# Altium PCB 继电器板.PcbDoc (part 1 of 2)
Units mm, origin at the board's own origin, x right, y up, seen from the top; angles counter-clockwise.
Board outline 160.63 x 75.01 mm, 2 copper layers (Top Layer, Bottom Layer); 170 components, 175 nets, 615 pads, 138 vias.
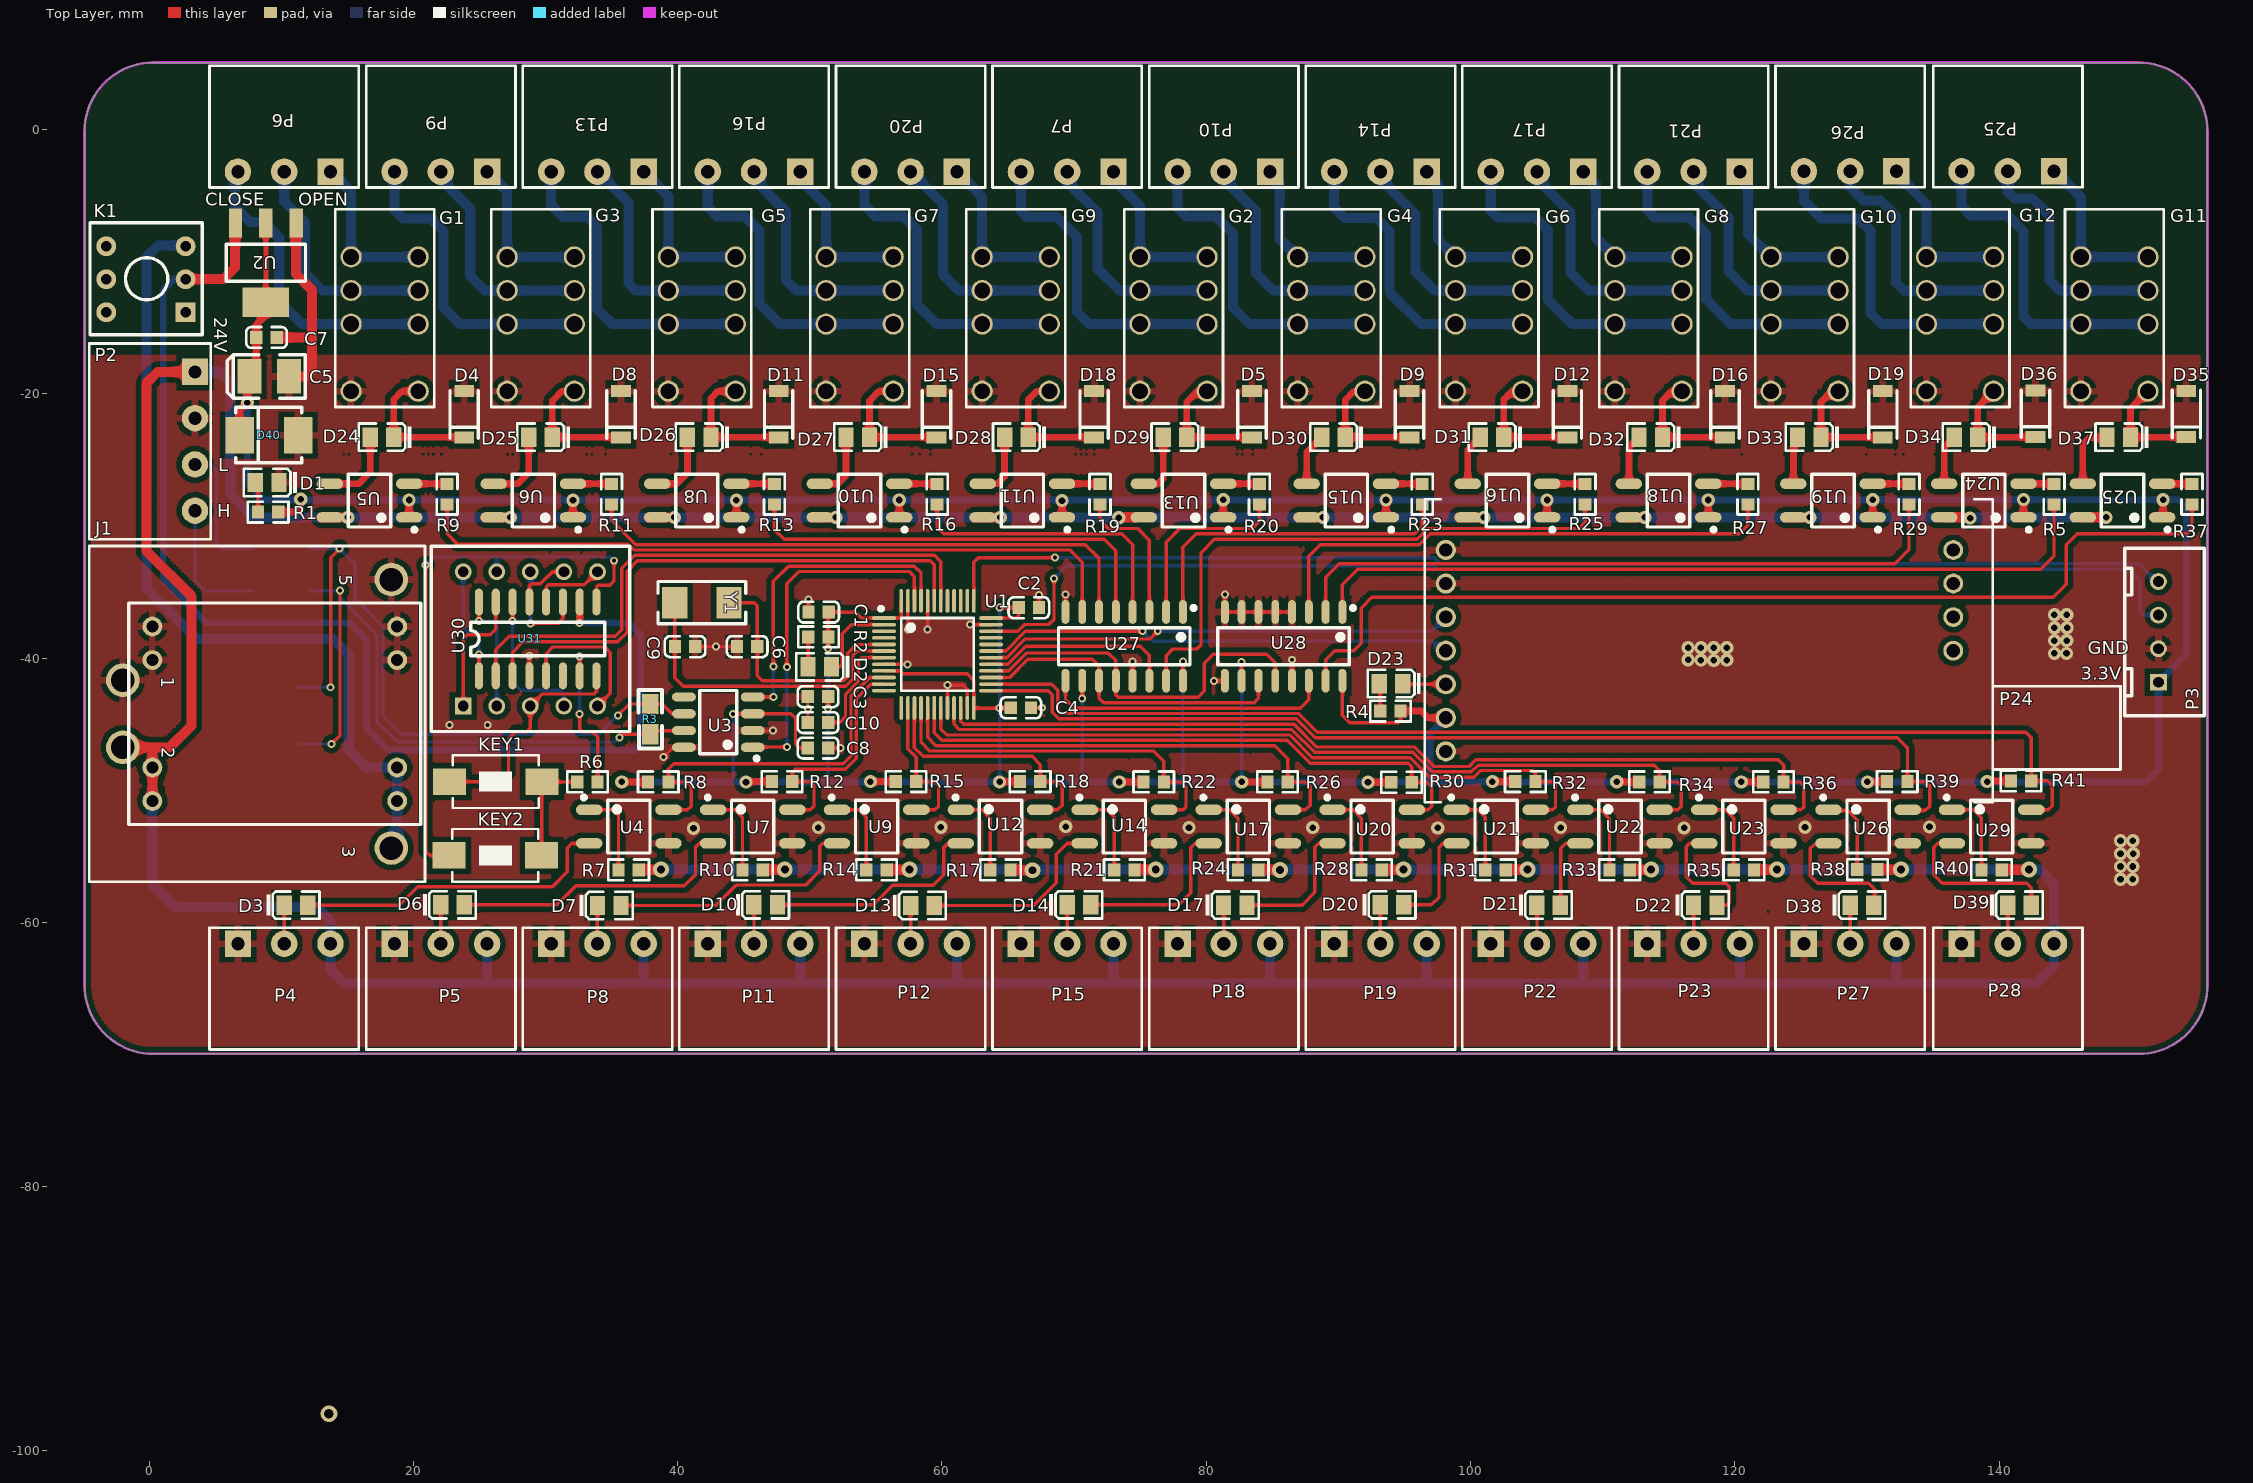
[diagram p0: Top Layer view]
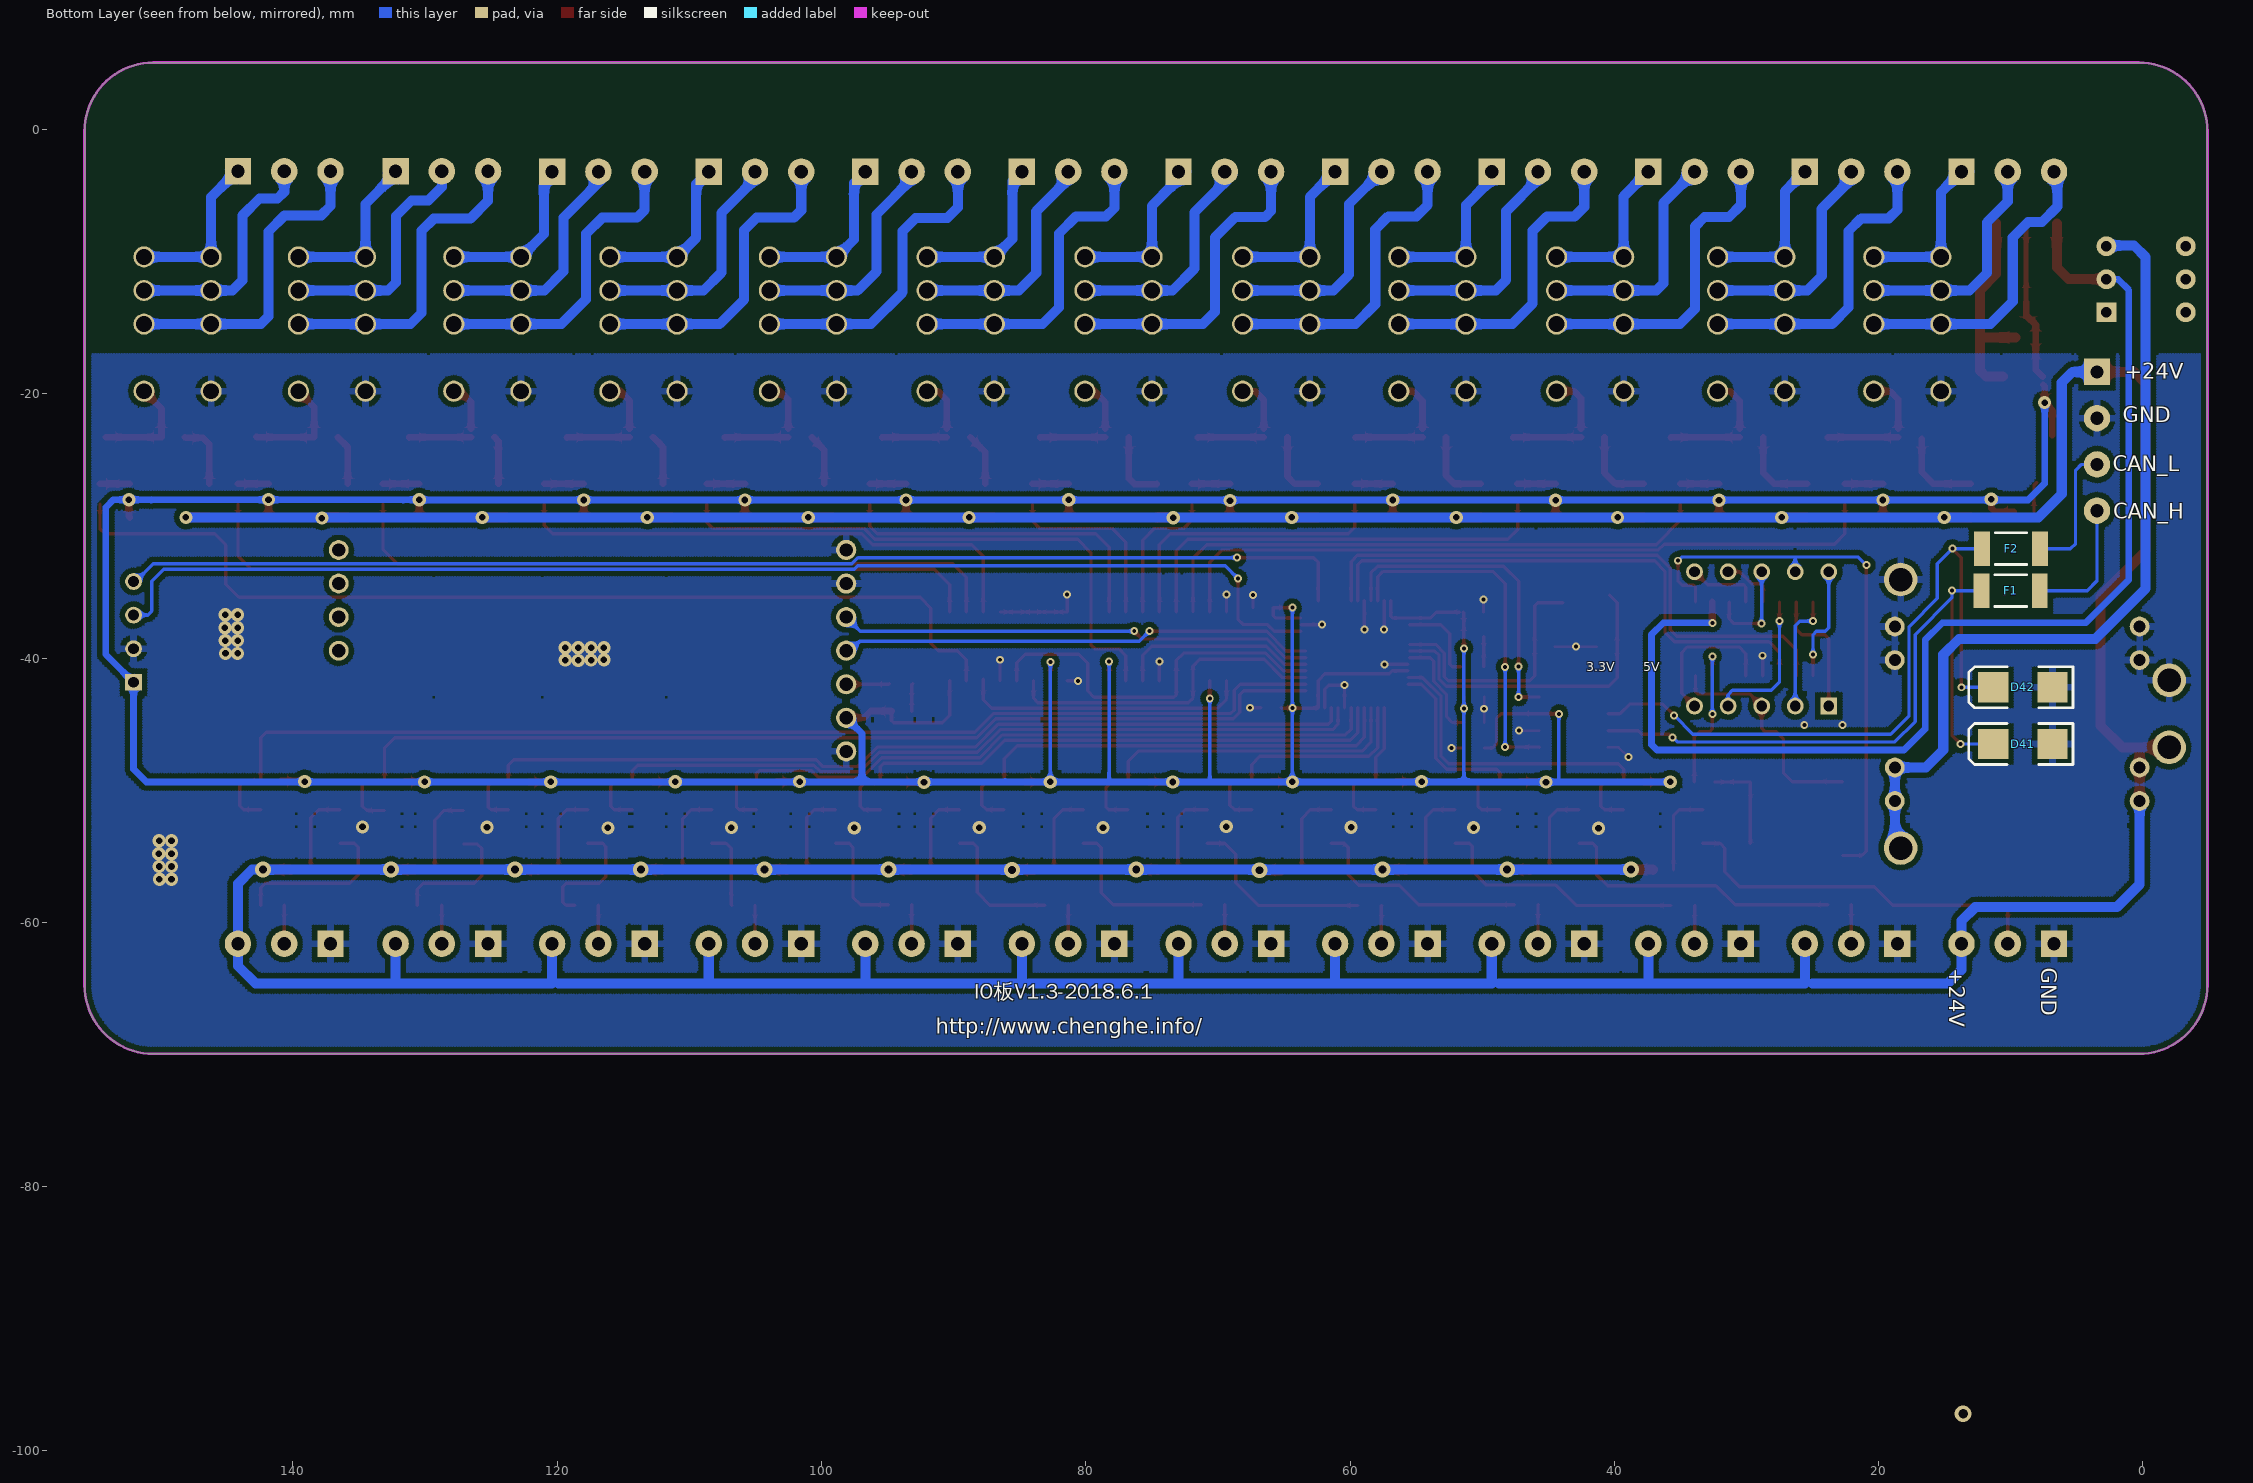
[diagram p1: Bottom Layer view, seen from below]

## Layer stack, top to bottom
Top Layer: signal copper 0.0356
Dielectric: dielectric 0.32, FR-4, Dk 4.8
Bottom Layer: signal copper 0.0356

## Board outline
-4.877,-64.745 ccw(c0.33,-64.745) 0.33,-69.952 0.33,-69.945 150.546,-69.945 150.546,-69.952 ccw(c150.546,-64.745) 155.753,-64.745 155.753,-0.152 ccw(c150.546,-0.152) 150.546,5.055 0.33,5.055 ccw(c0.33,-0.152) -4.877,-0.152

## Design rules (kind name [scope] priority, off if disabled: settings)
Clearance ispad [InPolygon] p1: gap=0.4
Clearance [All] p2: gap=0.152
HoleSize [All] p1: absolutevalues=TRUE maxlimit=5 minlimit=0.025 maxpercent=80.000 minpercent=20.000
HoleToHoleClearance [All] p1: gap=0 allowstackedmicrovias=TRUE
MinimumSolderMaskSliver [All] p1: minsoldermaskwidth=0
PolygonConnect PolygonConnect_1 [IsVia] p1: connectstyle=Direct reliefconductorwidth=0.254 reliefentries=4 polygonreliefangle="90 Angle"
PolygonConnect [IsPad] p2: connectstyle=Relief reliefconductorwidth=0.508 reliefentries=4 polygonreliefangle="90 Angle"
RoutingVias [All] p1: holewidth=0.711 width=1.27 viastyle="Through Hole" minholewidth=0.25 minwidth=0.5 maxholewidth=0.711 maxwidth=1.27
SilkToSilkClearance [All] p1: silktosilkclearance=-10
SilkscreenOverComponentPads SilkToSolderMaskClearance [IsPad] p1: minsilkscreentomaskgap=-10
SolderMaskExpansion [All] p1: expansion=0.102
Width [All] p1: maxlimit=2.54 minlimit=0.152 preferedwidth=0.254
23 further rules are at their usual default settings.

## Components (designator, comment, footprint, x,y, rotation, side; value= is the part's Value field where it differs from the comment)
C1 "104" 0603_C 50.673,-36.525 r180 top
C2 "104" 0603_C 66.573,-36.195 r0 top
C3 "104" 0603_C 50.622,-42.926 r180 top
C4 "104" 0603_C 65.964,-43.764 r0 top
C5 "100uF (107) ±10% 6.3V" CASE-B_3528 9.093,-18.694 r180 top
C6 "22pF" 0603_C 45.263,-39.141 r180 top
C7 "104" 0603_C 8.89,-15.748 r180 top
C8 "104" 0603_C 50.622,-46.812 r0 top
C9 "22pF" 0603_C 40.564,-39.141 r0 top
C10 "104" 0603_C 50.622,-44.882 r0 top
D1 "蓝灯 0805" LC-0805_LED_S1 8.052,-26.721 r180 top
D2 "红灯 0805" LC-0805_LED_S1 49.86,-40.665 r180 top
D3 "红灯 0805" LC-0805_LED_S1 12.014,-58.699 r0 top
D4 "LL4148 LL-34 1206" LC-LL-34 23.851,-23.312 r90 top
D5 "LL4148 LL-34 1206" LC-LL-34 83.45,-23.312 r90 top
D6 "红灯 0805" LC-0805_LED_S1 23.851,-58.674 r0 top
D7 "红灯 0805" LC-0805_LED_S1 35.712,-58.725 r0 top
D8 "LL4148 LL-34 1206" LC-LL-34 35.71,-23.312 r90 top
D9 "LL4148 LL-34 1206" LC-LL-34 95.385,-23.312 r90 top
D10 "红灯 0805" LC-0805_LED_S1 47.549,-58.674 r0 top
D11 "LL4148 LL-34 1206" LC-LL-34 47.645,-23.312 r90 top
D12 "LL4148 LL-34 1206" LC-LL-34 107.321,-23.312 r90 top
D13 "红灯 0805" LC-0805_LED_S1 59.411,-58.725 r0 top
D14 "红灯 0805" LC-0805_LED_S1 71.247,-58.674 r0 top
D15 "LL4148 LL-34 1206" LC-LL-34 59.58,-23.312 r90 top
D16 "LL4148 LL-34 1206" LC-LL-34 119.256,-23.312 r90 top
D17 "红灯 0805" LC-0805_LED_S1 83.083,-58.699 r0 top
D18 "LL4148 LL-34 1206" LC-LL-34 71.515,-23.312 r90 top
D19 "LL4148 LL-34 1206" LC-LL-34 131.191,-23.312 r90 top
D20 "红灯 0805" LC-0805_LED_S1 94.945,-58.674 r0 top
D21 "红灯 0805" LC-0805_LED_S1 106.782,-58.699 r0 top
D22 "红灯 0805" LC-0805_LED_S1 118.643,-58.699 r0 top
D23 "红灯 0805" LC-0805_LED_S1 93.091,-41.935 r180 top
D24 "红灯 0805" LC-0805_LED_S1 16.739,-23.292 r180 top
D25 "红灯 0805" LC-0805_LED_S1 28.739,-23.292 r180 top
D26 "红灯 0805" LC-0805_LED_S1 40.739,-23.292 r180 top
D27 "红灯 0805" LC-0805_LED_S1 52.739,-23.292 r180 top
D28 "红灯 0805" LC-0805_LED_S1 64.739,-23.292 r180 top
D29 "红灯 0805" LC-0805_LED_S1 76.739,-23.292 r180 top
D30 "红灯 0805" LC-0805_LED_S1 88.739,-23.292 r180 top
D31 "红灯 0805" LC-0805_LED_S1 100.739,-23.292 r180 top
D32 "红灯 0805" LC-0805_LED_S1 112.739,-23.292 r180 top
D33 "红灯 0805" LC-0805_LED_S1 124.739,-23.292 r180 top
D34 "红灯 0805" LC-0805_LED_S1 136.601,-23.292 r180 top
D35 "LL4148 LL-34 1206" LC-LL-34 154.153,-23.292 r90 top
D36 "LL4148 LL-34 1206" LC-LL-34 142.748,-23.266 r90 top
D37 "红灯 0805" LC-0805_LED_S1 148.158,-23.292 r180 top
D38 "红灯 0805" LC-0805_LED_S1 130.505,-58.699 r0 top
D39 "红灯 0805" LC-0805_LED_S1 142.418,-58.699 r0 top
D40 "SMBJ3.3A" SMB(DO-214AA)_S1 9.068,-23.139 r0 top
D41 "D Schottky" SMB 9.093,-46.507 r0 bottom
D42 "D Schottky" SMB 9.093,-42.215 r0 bottom
F1 "Fuse" 12Z-2010 10.008,-34.9 r0 bottom
F2 "Fuse" 12Z-2010 9.982,-31.725 r0 bottom
G1 "G6S-2-24V" G6S-2-24V 15.291,-19.812 r90 top
G2 "G6S-2-24V" G6S-2-24V 74.981,-19.812 r90 top
G3 "G6S-2-24V" G6S-2-24V 27.102,-19.812 r90 top
G4 "G6S-2-24V" G6S-2-24V 86.919,-19.812 r90 top
G5 "G6S-2-24V" G6S-2-24V 39.294,-19.812 r90 top
G6 "G6S-2-24V" G6S-2-24V 98.857,-19.812 r90 top
G7 "G6S-2-24V" G6S-2-24V 51.232,-19.812 r90 top
G8 "G6S-2-24V" G6S-2-24V 110.922,-19.812 r90 top
G9 "G6S-2-24V" G6S-2-24V 63.043,-19.812 r90 top
G10 "G6S-2-24V" G6S-2-24V 122.733,-19.812 r90 top
G11 "G6S-2-24V" G6S-2-24V 146.177,-19.812 r90 top
G12 "G6S-2-24V" G6S-2-24V 134.493,-19.812 r90 top
J1 "WD5-24S5A1" WD5-24S3V3 -1.981,-41.681 r0 top
K1 "BUTTON" BTN8.5*8.5 2.769,-13.843 r180 top
KEY1 "KEY_M" SW_PB2_A1 26.289,-49.352 r90 top
KEY2 "KEY_M" SW_PB2_A1 26.264,-54.94 r90 top
P2 "CAN" DZ-4-3.5 3.48,-18.354 r270 top
P3 "Header 4" IDE4 152.044,-41.834 r90 top
P4 "" DZ-3-3.5 6.731,-61.62 r0 top
P5 "" DZ-3-3.5 18.58,-61.62 r0 top
P6 "" DZ-3-3.5 13.731,-3.2 r180 top
P7 "" DZ-3-3.5 72.977,-3.2 r180 top
P8 "" DZ-3-3.5 30.429,-61.62 r0 top
P9 "" DZ-3-3.5 25.58,-3.2 r180 top
P10 "" DZ-3-3.5 84.826,-3.2 r180 top
P11 "" DZ-3-3.5 42.278,-61.62 r0 top
P12 "" DZ-3-3.5 54.127,-61.62 r0 top
P13 "" DZ-3-3.5 37.429,-3.2 r180 top
P14 "" DZ-3-3.5 96.675,-3.2 r180 top
P15 "" DZ-3-3.5 65.977,-61.62 r0 top
P16 "" DZ-3-3.5 49.278,-3.2 r180 top
P17 "" DZ-3-3.5 108.524,-3.2 r180 top
P18 "" DZ-3-3.5 77.826,-61.62 r0 top
P19 "" DZ-3-3.5 89.675,-61.62 r0 top
P20 "" DZ-3-3.5 61.127,-3.2 r180 top
P21 "" DZ-3-3.5 120.373,-3.2 r180 top
P22 "" DZ-3-3.5 101.524,-61.62 r0 top
P23 "" DZ-3-3.5 113.373,-61.62 r0 top
P24 "Header 7" AS50-T27 98.12,-47.066 r0 top locked
P25 "" DZ-3-3.5 144.145,-3.175 r180 top
P26 "" DZ-3-3.5 132.222,-3.175 r180 top
P27 "" DZ-3-3.5 125.222,-61.62 r0 top
P28 "" DZ-3-3.5 137.145,-61.62 r0 top
R1 "1k" 0603_R 9.017,-28.956 r180 top
R2 "102" 0603_R 50.648,-38.405 r0 top
R3 "120R" 0805 37.922,-43.485 r270 top
R4 "1k" 0603_R 93.929,-44.018 r180 top
R5 "330R" 0603_R 144.145,-27.61 r90 top
R6 "2K" 0603_R 33.172,-49.378 r0 top
R7 "4.7K" 0603_R 36.297,-56.032 r0 top
R8 "1K" 0603_R 38.532,-49.378 r180 top
R9 "330R" 0603_R 22.555,-27.61 r90 top
R10 "4.7K" 0603_R 45.672,-56.032 r0 top
R11 "330R" 0603_R 35.001,-27.61 r90 top
R12 "1K" 0603_R 47.904,-49.352 r180 top
R13 "330R" 0603_R 47.32,-27.61 r90 top
R14 "4.7K" 0603_R 55.046,-56.032 r0 top
R15 "1K" 0603_R 57.277,-49.352 r180 top
R16 "330R" 0603_R 59.639,-27.61 r90 top
R17 "4.7K" 0603_R 64.421,-56.032 r0 top
R18 "1K" 0603_R 66.675,-49.352 r180 top
R19 "330R" 0603_R 71.958,-27.61 r90 top
R20 "330R" 0603_R 84.023,-27.61 r90 top
R21 "4.7K" 0603_R 73.796,-56.032 r0 top
R22 "1K" 0603_R 76.022,-49.378 r180 top
R23 "330R" 0603_R 96.342,-27.61 r90 top
R24 "4.7K" 0603_R 83.171,-56.032 r0 top
R25 "330R" 0603_R 108.661,-27.61 r90 top
R26 "1K" 0603_R 85.395,-49.378 r180 top
R27 "330R" 0603_R 120.98,-27.61 r90 top
R28 "4.7K" 0603_R 92.507,-56.032 r0 top
R29 "330R" 0603_R 133.172,-27.61 r90 top
R30 "1K" 0603_R 94.767,-49.403 r180 top
R31 "4.7K" 0603_R 101.879,-56.032 r0 top
R32 "1K" 0603_R 104.14,-49.352 r180 top
R33 "4.7K" 0603_R 111.277,-56.032 r0 top
R34 "1K" 0603_R 113.538,-49.378 r180 top
R35 "4.7K" 0603_R 120.671,-56.032 r0 top
R36 "1K" 0603_R 122.911,-49.378 r180 top
R37 "330R" 0603_R 154.584,-27.61 r90 top
R38 "4.7K" 0603_R 130.023,-56.007 r0 top
R39 "1K" 0603_R 132.283,-49.352 r180 top
R40 "4.7K" 0603_R 139.421,-56.032 r0 top
R41 "1K" 0603_R 141.656,-49.301 r180 top
U1 "STM32f103C8T6" LC-LQFP-48 59.665,-39.726 r270 top
U2 "AMS1117-3.3" SOT-223 8.839,-10.084 r90 top
U3 "SN65HVD230" LC-SOIC-8_150mil 43.078,-44.856 r90 top
U4 "EL357N(B)(TA)-G" LC-SOP-4_P2.54 33.304,-51.486 r0 top
U5 "EL357N(B)(TA)-G" LC-SOP-4_P2.54 19.68,-29.362 r180 top
U6 "EL357N(B)(TA)-G" LC-SOP-4_P2.54 32.08,-29.362 r180 top
U7 "EL357N(B)(TA)-G" LC-SOP-4_P2.54 42.679,-51.486 r0 top
U8 "EL357N(B)(TA)-G" LC-SOP-4_P2.54 44.445,-29.362 r180 top
U9 "EL357N(B)(TA)-G" LC-SOP-4_P2.54 52.054,-51.486 r0 top
U10 "EL357N(B)(TA)-G" LC-SOP-4_P2.54 56.764,-29.362 r180 top
U11 "EL357N(B)(TA)-G" LC-SOP-4_P2.54 69.083,-29.362 r180 top
U12 "EL357N(B)(TA)-G" LC-SOP-4_P2.54 61.429,-51.486 r0 top
U13 "EL357N(B)(TA)-G" LC-SOP-4_P2.54 81.275,-29.362 r180 top
U14 "EL357N(B)(TA)-G" LC-SOP-4_P2.54 70.804,-51.486 r0 top
U15 "EL357N(B)(TA)-G" LC-SOP-4_P2.54 93.594,-29.362 r180 top
U16 "EL357N(B)(TA)-G" LC-SOP-4_P2.54 105.786,-29.362 r180 top
U17 "EL357N(B)(TA)-G" LC-SOP-4_P2.54 80.179,-51.486 r0 top
U18 "EL357N(B)(TA)-G" LC-SOP-4_P2.54 117.978,-29.362 r180 top
U19 "EL357N(B)(TA)-G" LC-SOP-4_P2.54 130.424,-29.362 r180 top
U20 "EL357N(B)(TA)-G" LC-SOP-4_P2.54 89.554,-51.486 r0 top
U21 "EL357N(B)(TA)-G" LC-SOP-4_P2.54 98.928,-51.486 r0 top
U22 "EL357N(B)(TA)-G" LC-SOP-4_P2.54 108.303,-51.486 r0 top
U23 "EL357N(B)(TA)-G" LC-SOP-4_P2.54 117.678,-51.486 r0 top
U24 "EL357N(B)(TA)-G" LC-SOP-4_P2.54 141.834,-29.362 r180 top
U25 "EL357N(B)(TA)-G" LC-SOP-4_P2.54 152.324,-29.362 r180 top
U26 "EL357N(B)(TA)-G" LC-SOP-4_P2.54 127.076,-51.486 r0 top
U27 "74HC595D" SOIC-16_150mil 73.787,-39.116 r180 top
U28 "74HC595D" SOIC-16_150mil 85.852,-39.116 r180 top
U29 "EL357N(B)(TA)-G" LC-SOP-4_P2.54 136.423,-51.486 r0 top
U30 "TM1650" SO-16 24.968,-41.351 r90 top
U31 "LED_S" LED_S 23.774,-43.637 r0 top locked
Y1 "8MHz ±20ppm 20pF" SMD-5032_2P 41.834,-35.814 r180 top

## Footprints (in the part's own frame and the unit in brackets; to place one, negate y for a bottom-side part, rotate by r counter-clockwise, add the part's x,y. Pads: shape width x height; smd on the part's side, far side on the other; paste and mask are expansions set on the pad)
12Z-2010 [mm] "Chip Resistor, Body 5.0x2.5mm, IPC High Dens"
  rect 1.2x2.6 smd: 1(-2.2,0) 2(2.2,0)
  silkscreen extent -1.2,-1.2 1.2,1.2, body extent -2.58,-1.33 2.58,1.33, height 0.9
0603_C [mm]
  rect 0.93x0.98 smd: 1(-0.77,0) 2(0.77,0)
  silkscreen extent -1.53,-0.79 1.54,0.79, body extent -0.8,-0.4 0.8,0.4, height 0.3
0603_R [mm]
  rect 0.93x0.98 smd: 1(-0.77,0) 2(0.77,0)
  silkscreen extent -1.53,-0.79 1.54,0.79, body extent -0.85,-0.4 0.85,0.4, height 0.56
0805 [mil]
  rect 60x50 smd: 1(0,0) 2(90,0)
  silkscreen extent -42,-35 132,35
AS50-T27 [mm]
  round 1.5 hole 1: 0(38.4,7.62) 0(38.4,10.16) 0(38.4,12.7) 0(38.4,15.24)
  round 1.524 hole 1: 1(0,0) 2(0,2.54) 3(0,5.08) 4(0,7.62) 5(0,10.16) 6(0,12.7) 7(0,15.24)
  silkscreen extent -1.6,-3.85 51.05,19.09
BTN8.5*8.5 [mm]
  rect 1.5x1.5 hole 0.8: 1(0,0)
  round 1.5 hole 0.8: 2(0,-2.5) 3(0,-5) 4(6,-5) 5(6,-2.5) 6(6,0)
  silkscreen extent -1.27,-6.79 7.23,1.71
CASE-B_3528 [mm]
  rect 1.8x2.6 smd: 1(1.5,0) 2(-1.5,0)
  silkscreen extent -2.73,-1.65 3.16,1.65, body extent -1.85,-1.47 1.85,1.46, height 2.03
DZ-3-3.5 [mm]
  rect 2x2 hole 1: 1(0,0)
  round 2 hole 1: 2(3.5,0) 3(7,0)
  silkscreen extent -2.15,-8 9.15,1.2
DZ-4-3.5 [mm]
  rect 2x2 hole 1: 1(0,0)
  round 2 hole 1: 2(3.5,0) 3(7,0) 4(10.5,0)
  silkscreen extent -2.15,-8 12.65,1.2
G6S-2-24V [mm]
  round 1.6 hole 1.2: 1(0,0) 3(5.08,0) 4(7.62,0) 5(10.16,0) 8(10.16,-5.08) 9(7.62,-5.08) 10(5.08,-5.08) 12(0,-5.08)
  silkscreen extent -1.2,-6.28 13.76,1.2
IDE4 [mil]
  rect 50x50 hole 32: 1(0,0)
  round 50 hole 32: 2(100,0) 3(200,0) 4(300,0)
  silkscreen extent -100,-136 399,100
LC-0805_LED_S1 [mm]
  rect 1.16x1.47 smd: A(0.001,0) K(-1.779,0)
  silkscreen extent -3.13,-1.04 0.88,1.03, body extent -1.9,-0.62 0.12,0.62, height 1.1
LC-LL-34 [mm]
  rect 0.9x1.5 smd: 1(3.5,0) 2(0,0)
  silkscreen extent -0.05,-1.08 3.55,1.07
LC-LQFP-48 [mm]
  oval 0.28x1.8 smd mask+0.051: 1(-2.75,-4.05) 2(-2.25,-4.05) 3(-1.75,-4.05) 4(-1.25,-4.05) 5(-0.75,-4.05) 6(-0.25,-4.05) 7(0.25,-4.05) 8(0.75,-4.05) 9(1.25,-4.05) 10(1.75,-4.05) 11(2.25,-4.05) 12(2.75,-4.05) 25(2.75,4.05) 26(2.25,4.05) 27(1.75,4.05) 28(1.25,4.05) 29(0.75,4.05) 30(0.25,4.05) 31(-0.25,4.05) 32(-0.75,4.05) 33(-1.25,4.05) 34(-1.75,4.05) 35(-2.25,4.05) 36(-2.75,4.05)
  oval 1.8x0.28 smd mask+0.051: 13(4.05,-2.75) 14(4.05,-2.25) 15(4.05,-1.75) 16(4.05,-1.25) 17(4.05,-0.75) 18(4.05,-0.25) 19(4.05,0.25) 20(4.05,0.75) 21(4.05,1.25) 22(4.05,1.75) 23(4.05,2.25) 24(4.05,2.75) 37(-4.05,2.75) 38(-4.05,2.25) 39(-4.05,1.75) 40(-4.05,1.25) 41(-4.05,0.75) 42(-4.05,0.25) 43(-4.05,-0.25) 44(-4.05,-0.75) 45(-4.05,-1.25) 46(-4.05,-1.75) 47(-4.05,-2.25) 48(-4.05,-2.75)
  silkscreen extent -3.6,-4.42 2.75,2.75
LC-SOIC-8_150mil [mm]
  oval 0.7x1.8 smd: 1(-1.905,-2.6) 2(-0.635,-2.6) 3(0.635,-2.6) 4(1.905,-2.6) 5(1.905,2.6) 6(0.635,2.6) 7(-0.635,2.6) 8(-1.905,2.6)
  silkscreen extent -2.9,-3.05 2.4,1.4
LC-SOP-4_P2.54 [mm]
  oval 2x0.8 smd: 1(0,0) 2(0,-2.54) 3(6,-2.54) 4(6,0)
  silkscreen extent -0.55,-3.27 4.6,1.08
LED_S [mil]
  rect 50x50 hole 32: 1(0,0)
  round 50 hole 32: 2(100,0) 3(200,0) 4(300,0) 5(400,0) 6(400,400) 7(300,400) 8(200,400) 9(100,400) 10(0,400)
  silkscreen extent -96,-76 496,476
SMB [mm] "DO-214-AA/SMB; 2 C-Bend Leads; Body 5.3 x 3.6 mm, inc. leads (L"
  rect 2.3x2.3 smd: 1(-2.25,0) 2(2.25,0)
  silkscreen extent -3.8,-1.55 4.1,1.55
SMB(DO-214AA)_S1 [mm]
  rect 2.159x2.743 smd: 1(2.21,0) 2(-2.21,0)
  silkscreen extent -2.5,-2.1 2.5,2.1
SMD-5032_2P [mm]
  rect 1.9x2.4 smd: 1(-2.05,0) 2(2.05,0)
  silkscreen extent -3.32,-1.6 3.32,1.6
SO-16 [mil]
  oval 80x24 smd: 1(0,0) 2(0,-50) 3(0,-100) 4(0,-150) 5(0,-200) 6(0,-250) 7(0,-300) 8(0,-350) 9(220,-350) 10(220,-300) 11(220,-250) 12(220,-200) 13(220,-150) 14(220,-100) 15(220,-50) 16(220,0)
  silkscreen extent 60,-375 160,25
SOIC-16_150mil [mm]
  oval 0.6x1.8 smd: 1(-4.445,-2.6) 2(-3.175,-2.6) 3(-1.905,-2.6) 4(-0.635,-2.6) 5(0.635,-2.6) 6(1.905,-2.6) 7(3.175,-2.6) 8(4.445,-2.6) 9(4.445,2.6) 10(3.175,2.6) 11(1.905,2.6) 12(0.635,2.6) 13(-0.635,2.6) 14(-1.905,2.6) 15(-3.175,2.6) 16(-4.445,2.6)
  silkscreen extent -5.4,-3.05 4.97,1.4
SOT-223 [mm]
  rect 2.2x1 smd: 1(3,-2.3) 2(3,0) 3(3,2.3)
  rect 2.2x3.5 smd: 2(-3,0)
  silkscreen extent -1.4,-3 1.4,3, body extent -3.49,-3.24 3.49,3.24, height 1.64
SW_PB2_A1 [mm]
  rect 2x2.5 smd: 1(0,3.556) 2(0,-3.444)
  silkscreen extent -2,-3.19 2,3.31, body extent -2.03,-3.17 2.03,3.3, height 1.2
WD5-24S3V3 [mm]
  round 2.54 hole 1.778: 1(0,0) 2(0,-5.08) 3(20.32,-12.7) 5(20.32,7.62)
  round 1.5 hole 0.9: 1(2.235,1.524) 1(2.235,4.064) 2(2.235,-9.144) 2(2.235,-6.604) 3(20.759,-9.144) 3(20.759,-6.604) 5(20.759,1.524) 5(20.759,4.064)
  silkscreen extent -2.54,-15.24 22.86,10.16

## Part data
C1 C2 C3 C4 C6 C9: library part Cap, "Capaci"
C5: library part "3528 100uF (107) 10% 6.3V"
D1 D2 D3 D6 D7 D10 D13 D14 D17 D20 D21 D22 D23 D24 D25 D26 D27 D28 D29 D30 D31 D32 D33 D34 D37 D38 D39: library part LED0, "Typical INFRARED G"
D4 D5 D8 D9 D11 D12 D15 D16 D18 D19 D35 D36: library part DIODE, "Di"
D40: library part "D Zener", "Zener Di"
D41 D42: "Schottky Diode"
F1 F2: library part "Fuse 2"
G1 G2 G3 G4 G5 G6 G7 G8 G9 G10 G11 G12: "G5SB-1"
J1: library part WD5-24S3V
K1: library part BUT
P2: library part "Header 4", "Header, 4-"
P3: "Header, 4-"
P4 P5 P6 P7 P8 P9 P10 P11 P12 P13 P14 P15 P16 P17 P18 P19 P20 P21 P22 P23 P25 P26 P27 P28: library part "Header 3", "Header, 3-"
P24: "Header, 7-"
R5 R37: library part R
R9 R11 R13 R16 R19 R20 R23 R25 R27 R29: library part RES
U1: library part stm32f103v
U2: library part "SOT-223 AMS1117-3.3", "低压差线性稳Ñ"
U3: library part SN65H
U4 U5 U6 U7 U8 U9 U10 U11 U12 U13 U14 U15 U16 U17 U18 U19 U20 U21 U22 U23 U24 U25 U26 U29: library part 2
U27 U28: "74系Á"
Y1: library part "SMD-5032_2P 8MHz 20ppm 20pF", "Ì"

## Via types
v1: diameter 1, hole 0.5, Top Layer to Bottom Layer, tented both sides, 73 vias
v2: diameter 0.6, hole 0.3, Top Layer to Bottom Layer, tented both sides, 51 vias
v3: diameter 1.2, hole 0.6, Top Layer to Bottom Layer, tented both sides, 12 vias
v4: diameter 1.27, hole 0.711, Top Layer to Bottom Layer, tented both sides, 1 vias
v5: diameter 0.6, hole 0.3, Top Layer to Bottom Layer, 1 vias

## Nets (pads, with @x,y where several pads share a name; then routed paths per layer and width w, separated by ;. In a path a pad name is that pad's centre, name@x,y a point inside that pad or via, vN(x,y) a via of type N, cw(c..) or ccw(c..) an arc to the next point about the centre after c; other vN are vias at no path point)
5V_IN: K1.2 U2.3 U30.10 | length 91.8
  Top Layer w0.508: v2(32.588,-37.338) U30.10@32.588,-35.763
  Top Layer w0.762: K1.2@2.769,-11.328 5.639,-11.328 6.514,-10.453 U2.3@6.514,-7.109
  Bottom Layer w0.508: K1.2@2.769,-11.343 1.89,-11.343 1.067,-12.167 1.067,-34.061 4.343,-37.338 15.189,-37.338 16.485,-38.633 16.485,-45.364 18.085,-46.965 36.779,-46.965 37.186,-46.558 37.186,-38.227 36.297,-37.338 v2(32.588,-37.338)
A: KEY1.1 U30.8 U31.3 | length 17.6
  Top Layer w0.254: KEY1.1@22.733,-49.352 26.543,-49.352 27.203,-48.692 27.203,-46.126 27.762,-45.568 28.6,-45.568 28.854,-45.314 U31.3@28.854,-43.637 29.769,-42.723 33.706,-42.723 33.858,-42.57 U30.8@33.858,-41.351
AUX: D23.K P24.3 | length 3.3
  Top Layer w0.254: D23.K@94.87,-41.935 94.921,-41.986 P24.3@98.12,-41.986
B: KEY2.1 U30.9 U31.9 | length 43.5
  Top Layer w0.254: v5(20.93,-32.969) 20.93,-54.61 21.26,-54.94 KEY2.1@22.708,-54.94 ; U30.9@33.858,-35.763 33.858,-34.646 34.011,-34.493 34.874,-34.493 35.179,-34.188 v2(35.179,-32.639)
  Bottom Layer w0.254: v5(20.93,-32.969) 21.539,-32.36 26.314,-32.36 ; U31.9@26.314,-33.477 26.314,-32.385 26.34,-32.36 34.9,-32.36 v2(35.179,-32.639)
C: U30.11 U31.8 | length 7.8
  Top Layer w0.254: v2(28.854,-37.389) 30.963,-37.389 31.318,-37.033 U30.11@31.318,-35.763
  Bottom Layer w0.254: v2(28.854,-37.389) U31.8@28.854,-33.477
CAN_H: F1.1 P2.4 | length 9.9
  Bottom Layer w0.254: P2.4@3.48,-28.854 3.48,-34.163 4.216,-34.9 F1.1@7.808,-34.9
CAN_L: F2.1 P2.3 | length 10.2
  Bottom Layer w0.254: P2.3@3.48,-25.354 4.653,-25.354 5.105,-25.806 5.105,-31.344 5.486,-31.725 F2.1@7.782,-31.725
CAN_RX: U1.45 U3.4 | length 24.3
  Top Layer w0.254: U3.4@45.678,-42.951 v2(47.244,-42.951) ; v2(47.244,-40.64) 47.244,-34.188 48.387,-33.045 57.912,-33.045 58.415,-33.548 U1.45@58.415,-35.676
  Bottom Layer w0.254: v2(47.244,-42.951) v2(47.244,-40.64)
CAN_TX: U1.46 U3.1 | length 27
  Top Layer w0.254: U3.1@45.678,-46.761 45.704,-46.736 v2(48.26,-46.736) ; v2(48.26,-40.665) 48.26,-34.392 49.2,-33.452 57.506,-33.452 57.915,-33.861 U1.46@57.915,-35.676
  Bottom Layer w0.254: v2(48.26,-46.736) v2(48.26,-40.665)
CLOSE_0: G1.3 G1.10 P6.3 | length 23.1
  Bottom Layer w0.762: P6.3@6.482,-3.2 6.482,-5.847 7.645,-7.01 8.687,-7.01 9.855,-8.179 9.855,-13.03 11.557,-14.732 G1.3@15.291,-14.732 G1.10@20.371,-14.732
CLOSE_1: G3.3 G3.10 P9.3 | length 23.5
  Bottom Layer w0.762: P9.3@18.58,-3.2 18.58,-6.083 19.228,-6.731 21.311,-6.731 22.276,-7.696 22.276,-13.487 23.52,-14.732 G3.3@27.102,-14.732 G3.10@32.182,-14.732
CLOSE_2: G5.3 G5.10 P13.3 | length 23.9
  Bottom Layer w0.762: P13.3@30.429,-3.2 30.429,-5.74 31.318,-6.629 33.172,-6.629 33.909,-7.366 33.909,-13.589 35.052,-14.732 G5.3@39.294,-14.732 G5.10@44.374,-14.732
CLOSE_3: G7.3 G7.10 P16.3 | length 23.6
  Bottom Layer w0.762: P16.3@42.278,-3.2 42.278,-5.855 43.028,-6.604 45.11,-6.604 46.177,-7.671 46.177,-13.183 47.727,-14.732 G7.3@51.232,-14.732 G7.10@56.312,-14.732
CLOSE_4: G9.3 G9.10 P20.3 | length 23.6
  Bottom Layer w0.762: P20.3@54.127,-3.2 54.127,-5.715 54.991,-6.579 57.099,-6.579 58.09,-7.569 58.09,-13.233 59.588,-14.732 G9.3@63.043,-14.732 G9.10@68.123,-14.732
CLOSE_5: G2.3 G2.10 P7.3 | length 23.9
  Bottom Layer w0.762: P7.3@65.977,-3.2 65.977,-6.185 66.421,-6.629 68.682,-6.629 70.231,-8.179 70.231,-13.818 71.145,-14.732 G2.3@74.981,-14.732 G2.10@80.061,-14.732
CLOSE_6: G4.3 G4.10 P10.3 | length 23.8
  Bottom Layer w0.762: P10.3@77.826,-3.2 77.826,-5.944 78.461,-6.579 80.721,-6.579 82.017,-7.874 82.017,-13.487 83.261,-14.732 G4.3@86.919,-14.732 G4.10@91.999,-14.732
CLOSE_7: G6.3 G6.10 P14.3 | length 23.3
  Bottom Layer w0.762: P14.3@89.675,-3.2 89.675,-5.905 90.475,-6.706 92.862,-6.706 93.853,-7.696 93.853,-12.319 96.266,-14.732 G6.3@98.857,-14.732 G6.10@103.937,-14.732
CLOSE_8: G8.3 G8.10 P17.3 | length 24
  Bottom Layer w0.762: P17.3@101.524,-3.2 101.524,-6.121 102.083,-6.68 104.902,-6.68 105.842,-7.62 105.842,-12.878 107.696,-14.732 G8.3@110.922,-14.732 G8.10@116.002,-14.732
CLOSE_9: G10.3 G10.10 P21.3 | length 23.8
  Bottom Layer w0.762: P21.3@113.373,-3.2 113.373,-6.109 113.944,-6.68 116.586,-6.68 117.805,-7.899 117.805,-12.852 119.685,-14.732 G10.3@122.733,-14.732 G10.10@127.813,-14.732
CLOSE_10: G12.3 G12.10 P26.3 | length 24.1
  Bottom Layer w0.762: P26.3@125.222,-3.175 125.222,-5.41 126.568,-6.756 129.337,-6.756 130.251,-7.671 130.251,-13.894 131.089,-14.732 G12.3@134.493,-14.732 G12.10@139.573,-14.732
CLOSE_11: G11.3 G11.10 P25.3 | length 24.2
  Bottom Layer w0.762: P25.3@137.145,-3.175 137.145,-5.802 137.846,-6.502 140.614,-6.502 141.834,-7.722 141.834,-14.148 142.418,-14.732 G11.3@146.177,-14.732 G11.10@151.257,-14.732
COM0: G1.4 G1.9 P6.2 | length 17.4
  Bottom Layer w0.762: P6.2@10.231,-3.2 10.231,-5.456 11.811,-7.036 11.811,-10.871 13.132,-12.192 G1.4@15.291,-12.192 G1.9@20.371,-12.192
COM1: G3.4 G3.9 P9.2 | length 18
  Bottom Layer w0.762: P9.2@21.496,-3.2 P9.2@22.08,-3.785 ; P9.2@22.08,-3.2 P9.2@22.08,-3.785 ; G3.9@32.182,-12.192 G3.4@27.102,-12.192 25.4,-12.192 24.308,-11.1 24.308,-6.012 P9.2@22.08,-3.785
COM2: G5.4 G5.9 P13.2 | length 18.2
  Bottom Layer w0.762: P13.2@33.345,-3.2 P13.2@33.637,-3.492 ; P13.2@33.929,-3.2 36.297,-5.568 36.297,-11.659 36.83,-12.192 G5.4@39.294,-12.192 G5.9@44.374,-12.192
COM3: G7.4 G7.9 P16.2 | length 18.5
  Bottom Layer w0.762: P16.2@45.194,-3.2 P16.2@45.778,-3.785 ; P16.2@45.778,-3.2 P16.2@45.778,-3.785 ; G7.9@56.312,-12.192 G7.4@51.232,-12.192 48.971,-12.192 48.184,-11.405 48.184,-6.19 P16.2@45.778,-3.785
COM4: G9.4 G9.9 P20.2 | length 17.8
  Bottom Layer w0.762: P20.2@57.043,-3.2 P20.2@57.335,-3.492 ; P20.2@57.627,-3.2 60.071,-5.644 60.071,-10.998 61.265,-12.192 G9.4@63.043,-12.192 G9.9@68.123,-12.192
COM5: G2.4 G2.9 P7.2 | length 17.7
  Bottom Layer w0.762: P7.2@68.892,-3.2 68.892,-3.411 P7.2@69.079,-3.598 ; P7.2@69.477,-3.2 69.477,-3.995 71.78,-6.299 71.78,-10.541 73.431,-12.192 G2.4@74.981,-12.192 G2.9@80.061,-12.192
COM6: G4.4 G4.9 P10.2 | length 18.3
  Bottom Layer w0.762: P10.2@80.741,-3.2 P10.2@81.326,-3.785 ; P10.2@81.326,-3.2 P10.2@81.326,-3.785 ; G4.9@91.999,-12.192 G4.4@86.919,-12.192 85.065,-12.192 83.744,-10.871 83.744,-6.203 P10.2@81.326,-3.785
COM7: G6.4 G6.9 P14.2 | length 18.2
  Bottom Layer w0.762: P14.2@92.591,-3.2 P14.2@93.175,-3.785 ; P14.2@93.175,-3.2 P14.2@93.175,-3.785 ; G6.9@103.937,-12.192 G6.4@98.857,-12.192 97.257,-12.192 95.834,-10.77 95.834,-6.444 P14.2@93.175,-3.785
COM8: G8.4 G8.9 P17.2 | length 18.5
  Bottom Layer w0.762: P17.2@104.44,-3.2 P17.2@105.024,-3.785 ; P17.2@105.024,-3.2 P17.2@105.024,-3.785 ; G8.9@116.002,-12.192 G8.4@110.922,-12.192 108.915,-12.192 107.569,-10.846 107.569,-6.33 P17.2@105.024,-3.785
COM9: G10.4 G10.9 P21.2 | length 17.6
  Bottom Layer w0.762: P21.2@116.665,-3.2 116.665,-3.838 119.507,-6.68 119.507,-10.744 120.955,-12.192 G10.4@122.733,-12.192 G10.9@127.813,-12.192
COM10: G12.4 G12.9 P26.2 | length 18.2
  Bottom Layer w0.762: P26.2@128.722,-3.175 128.722,-4.364 129.743,-5.385 131.013,-5.385 132.182,-6.553 132.182,-11.582 132.791,-12.192 G12.4@134.493,-12.192 G12.9@139.573,-12.192
COM11: G11.4 G11.9 P25.2 | length 18.1
  Bottom Layer w0.762: P25.2@140.645,-3.175 140.645,-4.73 141.148,-5.232 142.519,-5.232 143.815,-6.528 143.815,-11.43 144.577,-12.192 G11.4@146.177,-12.192 G11.9@151.257,-12.192
D: U30.12 U31.6 | length 5.5
  Top Layer w0.254: U30.12@30.048,-35.763 30.048,-34.646 30.226,-34.468 32.944,-34.468 U31.6@33.934,-33.477
DATA: U1.29 U27.14 | length 15.1
  Top Layer w0.254: U1.29@63.334,-40.476 64.966,-40.476 66.326,-39.116 75.006,-39.116 75.692,-39.802 U27.14@75.692,-41.716
DI0: D3.K P4.2 | length 3
  Top Layer w0.254: D3.K@10.159,-58.699 10.231,-58.771 P4.2@10.231,-61.62
DI1: D6.K P5.2 | length 2.9
  Top Layer w0.254: P5.2@22.08,-61.62 D6.K@22.08,-58.682
DI2: D7.K P8.2 | length 2.9
  Top Layer w0.254: P8.2@33.929,-61.62 33.929,-58.729 D7.K@33.933,-58.725
DI3: D10.K P11.2 | length 2.9
  Top Layer w0.254: D10.K@45.77,-58.674 45.778,-58.682 P11.2@45.778,-61.62
DI4: D13.K P12.2 | length 2.9
  Top Layer w0.254: P12.2@57.043,-61.62 P12.2@57.047,-61.616 ; D13.K@57.606,-58.725 57.627,-58.746 P12.2@57.627,-61.62
DI5: D14.K P15.2 | length 2.9
  Top Layer w0.254: D14.K@69.468,-58.674 69.477,-58.682 P15.2@69.477,-61.62
DI6: D17.K P18.2 | length 2.9
  Top Layer w0.254: P18.2@81.326,-61.62 D17.K@81.326,-58.721
DI7: D20.K P19.2 | length 2.9
  Top Layer w0.254: P19.2@93.175,-61.62 D20.K@93.175,-58.682
DI8: D21.K P22.2 | length 2.9
  Top Layer w0.254: P22.2@105.024,-61.62 D21.K@105.024,-58.721
DI9: D22.K P23.2 | length 2.9
  Top Layer w0.254: P23.2@116.873,-61.62 D22.K@116.873,-58.708
DI10: D38.K P27.2 | length 2.9
  Top Layer w0.254: P27.2@128.722,-61.62 D38.K@128.722,-58.704
DI11: D39.K P28.2 | length 2.9
  Top Layer w0.254: P28.2@140.645,-61.62 D39.K@140.645,-58.706
DIG1: U30.1 U31.10 | length 8.8
  Top Layer w0.254: U30.1@24.968,-41.351 v2(24.968,-39.751)
  Bottom Layer w0.254: U31.10@23.774,-33.477 23.774,-37.719 24.028,-37.973 24.714,-37.973 24.968,-38.227 v2(24.968,-39.751)
DIG2: U30.5 U31.5 | length 11.4
  Top Layer w0.254: U30.5@30.048,-41.351 30.048,-39.675 30.556,-39.167 34.468,-39.167 34.9,-39.599 34.9,-42.672 U31.5@33.934,-43.637
DII0: R8.1 U1.10 U4.4 | length 28
  Top Layer w0.254: U4.4@39.304,-51.486 40.742,-51.486 41.021,-51.206 41.021,-49.708 40.691,-49.378 R8.1@39.302,-49.378 39.302,-48.404 39.7,-48.006 52.527,-48.006 53.111,-47.422 53.111,-42.898 54.533,-41.476 U1.10@55.615,-41.476
DII1: R12.1 U1.11 U7.4 | length 18.2
  Top Layer w0.254: U7.4@48.679,-51.486 50.038,-51.486 50.317,-51.206 50.317,-49.581 50.089,-49.352 R12.1@48.674,-49.352 48.674,-48.633 48.895,-48.412 52.696,-48.412 53.518,-47.59 53.518,-43.066 54.608,-41.976 U1.11@55.615,-41.976
DII2: R15.1 U1.14 U9.4 | length 11
  Top Layer w0.254: U1.14@57.415,-43.776 57.415,-46.864 58.047,-47.497 R15.1@58.047,-49.352 59.436,-49.352 59.741,-49.657 59.741,-51.206 59.461,-51.486 U9.4@58.054,-51.486
DII3: R18.1 U1.15 U12.4 | length 19.4
  Top Layer w0.254: U1.15@57.915,-43.776 57.915,-46.789 58.572,-47.447 66.827,-47.447 67.445,-48.065 R18.1@67.445,-49.352 68.783,-49.352 69.088,-49.657 69.088,-51.13 68.732,-51.486 U12.4@67.429,-51.486
DII4: R22.1 U1.16 U14.4 | length 28.2
  Top Layer w0.254: U1.16@58.415,-43.776 58.415,-46.375 59.08,-47.041 76.022,-47.041 76.792,-47.811 R22.1@76.792,-49.378 78.054,-49.378 78.461,-49.784 78.461,-51.283 78.257,-51.486 U14.4@76.804,-51.486
DII5: R26.1 U1.17 U17.4 | length 37
  Top Layer w0.254: U1.17@58.915,-43.776 58.915,-46.011 59.538,-46.634 85.192,-46.634 86.165,-47.608 R26.1@86.165,-49.378 87.503,-49.378 87.859,-49.733 87.859,-51.13 87.503,-51.486 U17.4@86.179,-51.486
DII6: R30.1 U1.18 U20.4 | length 45
  Top Layer w0.254: U1.18@59.415,-43.776 59.415,-45.673 59.969,-46.228 86.131,-46.228 87.859,-47.955 95.275,-47.955 95.537,-48.217 R30.1@95.537,-49.403 96.672,-49.403 97.053,-49.784 97.053,-51.232 96.799,-51.486 U20.4@95.554,-51.486
DII7: R32.1 U1.19 U21.4 | length 53.9
  Top Layer w0.254: U1.19@59.915,-43.776 59.915,-45.386 60.35,-45.822 86.3,-45.822 88.027,-47.549 95.447,-47.549 96.92,-49.022 100.228,-49.022 100.736,-48.514 104.699,-48.514 104.91,-48.725 R32.1@104.91,-49.352 106.147,-49.352 106.426,-49.632 106.426,-51.257 106.197,-51.486 U21.4@104.928,-51.486
DII8: R34.1 U1.21 U22.4 | length 62.4
  Top Layer w0.254: U1.21@60.915,-43.776 60.915,-45.014 61.316,-45.415 86.468,-45.415 88.195,-47.142 95.615,-47.142 97.088,-48.616 100.06,-48.616 100.568,-48.108 113.894,-48.108 114.308,-48.522 R34.1@114.308,-49.378 115.646,-49.378 115.951,-49.682 115.951,-51.206 115.672,-51.486 U22.4@114.303,-51.486
DII9: R36.1 U1.22 U23.4 | length 71.2
  Top Layer w0.254: U1.22@61.415,-43.776 61.415,-44.778 61.646,-45.009 86.636,-45.009 88.364,-46.736 95.783,-46.736 97.257,-48.209 99.892,-48.209 100.4,-47.701 123.266,-47.701 123.681,-48.116 R36.1@123.681,-49.378 124.892,-49.378 125.197,-49.682 125.197,-51.283 124.993,-51.486 U23.4@123.678,-51.486
DII10: R39.1 U1.25 U26.4 | length 80
  Top Layer w0.254: U1.25@63.334,-42.476 68.053,-42.476 68.356,-42.778 68.356,-44.115 68.843,-44.602 86.805,-44.602 88.227,-46.025 132.291,-46.025 133.053,-46.787 R39.1@133.053,-49.352 134.468,-49.352 134.747,-49.632 134.747,-51.206 134.417,-51.537 U26.4@133.076,-51.537
DII11: R41.1 U1.26 U29.4 | length 89.9
  Top Layer w0.254: U1.26@63.334,-41.976 68.29,-41.976 68.763,-42.448 68.763,-43.947 69.012,-44.196 86.973,-44.196 88.395,-45.618 142.011,-45.618 142.426,-46.033 R41.1@142.426,-49.301 143.662,-49.301 144.018,-49.657 144.018,-51.181 143.713,-51.486 U29.4@142.423,-51.486
DO0: D4.2 D24.K G1.12 | length 9.7
  Top Layer w0.508: D24.K@18.518,-23.292 23.83,-23.292 D4.2@23.851,-23.312 ; D24.K@18.518,-22.657 18.518,-20.446 19.152,-19.812 G1.12@20.371,-19.812
DO1: D8.2 D25.K G3.12 | length 9.3
  Top Layer w0.508: D25.K@30.518,-23.292 35.689,-23.292 D8.2@35.71,-23.312 ; D25.K@30.518,-22.657 30.518,-20.536 31.242,-19.812 G3.12@32.182,-19.812
DO2: D11.2 D26.K G5.12 | length 9.5
  Top Layer w0.508: D26.K@42.518,-23.292 47.625,-23.292 D11.2@47.645,-23.312 ; D26.K@42.518,-22.657 42.518,-20.347 43.053,-19.812 G5.12@44.374,-19.812
DO3: D15.2 D27.K G7.12 | length 9.3
  Top Layer w0.508: D27.K@54.518,-23.292 59.56,-23.292 D15.2@59.58,-23.312 ; D27.K@54.518,-22.657 54.518,-20.539 55.245,-19.812 G7.12@56.312,-19.812
DO4: D18.2 D28.K G9.12 | length 9.1
  Top Layer w0.508: D28.K@66.518,-23.292 71.495,-23.292 D18.2@71.515,-23.312 ; D28.K@66.518,-22.657 66.518,-20.477 67.183,-19.812 G9.12@68.123,-19.812
DO5: D5.2 D29.K G2.12 | length 8.8
  Top Layer w0.508: D29.K@78.518,-23.292 83.43,-23.292 D5.2@83.45,-23.312 ; D29.K@78.518,-22.657 78.518,-20.644 79.35,-19.812 G2.12@80.061,-19.812
DO6: D9.2 D30.K G4.12 | length 8.8
  Top Layer w0.508: D30.K@90.518,-23.292 95.365,-23.292 D9.2@95.385,-23.312 ; D30.K@90.518,-22.657 90.518,-20.48 91.186,-19.812 G4.12@91.999,-19.812
DO7: D12.2 D31.K G6.12 | length 8.7
  Top Layer w0.508: D31.K@102.518,-23.292 107.3,-23.292 D12.2@107.321,-23.312 ; D31.K@102.518,-22.657 102.518,-20.443 103.149,-19.812 G6.12@103.937,-19.812
DO8: D16.2 D32.K G8.12 | length 8.7
  Top Layer w0.508: D32.K@114.518,-23.292 119.236,-23.292 D16.2@119.256,-23.312 ; D32.K@114.518,-22.657 114.518,-20.508 115.214,-19.812 G8.12@116.002,-19.812
DO9: D19.2 D33.K G10.12 | length 8.3
  Top Layer w0.508: D33.K@126.518,-23.292 131.171,-23.292 D19.2@131.191,-23.312 ; D33.K@126.518,-22.657 126.518,-20.624 127.33,-19.812 G10.12@127.813,-19.812